# Altium PCB MainMaster20230302.PcbDoc (part 1 of 2) (continued)
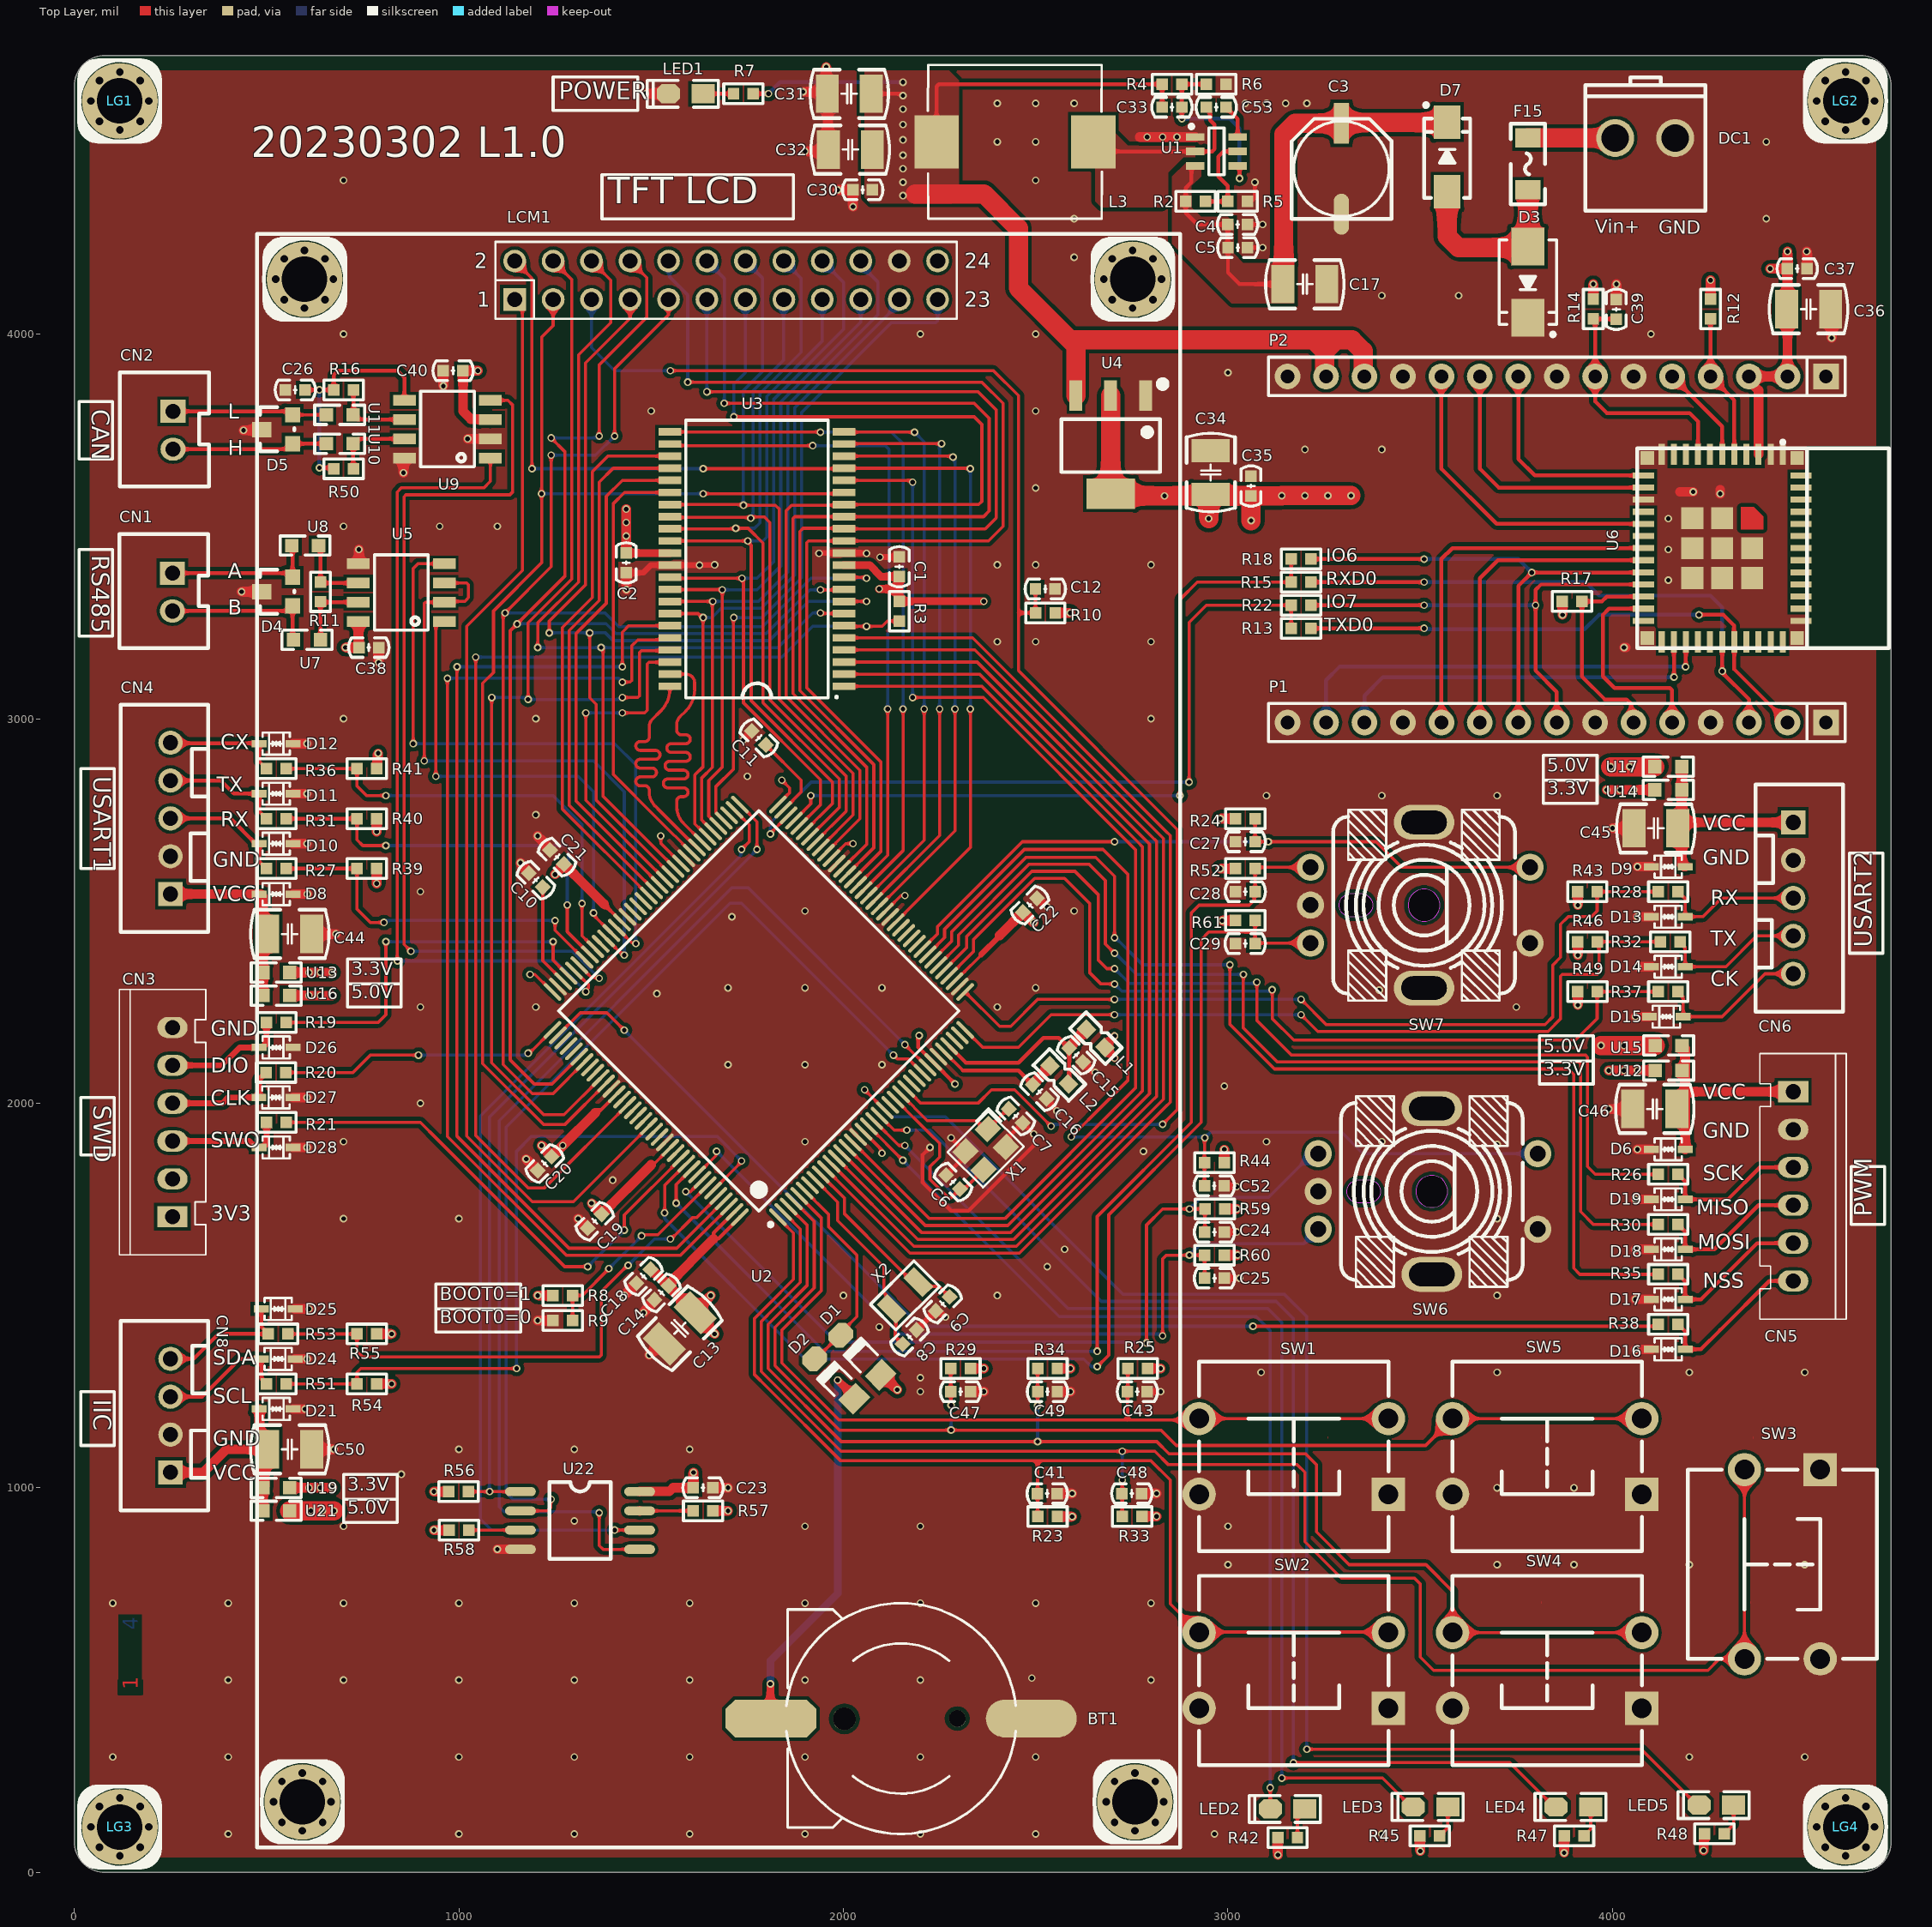
[diagram p0: Top Layer view]
## Part data (continued)
F15: Current Rating (Max)=100A, Hold Current=1A, JLCPCB Part Class="Extended Part", LCSC Part Name="1A 24V", Manufacturer=TLC(竞沃), Operating Temperature=-, Operating Voltage (Max)=24V, Power Dissipation=600mW, Resistance - Initial (Ri) (Min)=60mΩ, Resistance - Post Trip (R1) (Max)=280mΩ, Trip Current=2A, Add into BOM=yes, Convert to PCB=yes, Datasheet=https://atta.szlcsc.com/upload/public/pdf/source/20211202/9DD64AE932171F6A930B1738394E7F41.pdf, Device=TLC-NSMD100/24, Manufacturer Part=TLC-NSMD100/24, Maximum Time to Trip=100ms, Name=TLC-NSMD100/24, Supplier=LCSC, Supplier Footprint=1206, Supplier Part=C2924939, Symbol=TLC-NSMD100/24
L1 L2: Current Rating=2A, DC Resistance=65mΩ, Impedance @ Frequency=120Ω@100MHz, JLCPCB Part Class="Extended Part", LCSC Part Name="120Ω@100MHz ±25%", Manufacturer=FH(风华), Tolerance=±25%, Add into BOM=yes, Circuits=1, Convert to PCB=yes, Datasheet=https://atta.szlcsc.com/upload/public/pdf/source/20151203/1457707610455.pdf, Device=CBM160808U121T, Manufacturer Part=CBM160808U121T, Name=CBM160808U121T, Supplier=LCSC, Supplier Footprint=0603, Supplier Part=C62708, Symbol=CBM160808U121T
L3: library part INDUCTOR
LED1 LED2 LED3 LED4 LED5: Correlated Color Temperature - CCT(K)=-, Illumination Color=普绿/黄绿, JLCPCB Part Class="Extended Part", LCSC Part Name=普绿/黄绿LED，贴片, Manufacturer=EVERLIGHT(亿光), Add into BOM=yes, Convert to PCB=yes, Datasheet=https://atta.szlcsc.com/upload/public/pdf/source/20171110/C142303_15102792667121104246.pdf, Device=17-21SYGC/S530-E3/TR8, Dominant Wavelength / Coordinate rank=573nm, Luminous Flux/Radiant Flux=-, Luminous Intensity (IF=20mA)=32mcd, Manufacturer Part=17-21SYGC/S530-E3/TR8, Mounting Type=表面贴装, Name=17-21SYGC/S530-E3/TR8, Supplier=LCSC, Supplier Footprint=0805, Supplier Part=C142303, Symbol=17-21SYGC/S530-E3/TR8
LG1 LG2 LG3 LG4: library part LAGVAL
P1 P2: Current Rating (Max)=3A, JLCPCB Part Class="Extended Part", LCSC Part Name="2.54mm 1x15P", Manufacturer=kinghelm(金航标), Operating Temperature Range=-40℃~+105℃, Voltage Rating (Max)=-, Add into BOM=yes, Circular Hole / Square Hole=方孔, Convert to PCB=yes, Datasheet=https://atta.szlcsc.com/upload/public/pdf/source/20211220/977AA415CFA981E866620A80068F25CA.pdf, Device=KH-2.54FH-1X15P-H8.5, Holes Direction=顶部, Holes Structure=1x15P, Insulation Height=8.5mm, Manufacturer Part=KH-2.54FH-1X15P-H8.5, Mounting Type=直插, Name=KH-2.54FH-1X15P-H8.5, Number of Holes=15, Number of Rows=1, Pitch=2.54mm, Row Spacing=-, Supplier=LCSC, Supplier Footprint=直插,P=2.54mm, Supplier Part=C2932676, Symbol=KH-2.54FH-1X15P-H8.5
R2 R3 R4 R5 R6 R7 R8 R9 R10 R11 R12 R13 R14 R15 R16 R17 R18 R19 R20 R21 R22 R23 R24 R25 R26 R27 R28 R29 R30 R31 R32 R33 R34 R35 R36 R37 R38 R39 R40 R41 R42 R43 R44 R45 R46 R47 R48 R49 R50 R51 R52 R53 R54 R55 R56 R57 R58 R59 R60 R61: JLCPCB Part Class="Extended Part", LCSC Part Name="511kΩ ±1% 100mW", Manufacturer=UNI-ROYAL(厚声), Operating Temperature Range=-55℃~+155℃, Overload Voltage (Max)=75V, Power(Watts)=100mW, Temperature Coefficient=±100ppm/℃, Tolerance=±1%, Add into BOM=yes, Convert to PCB=yes, Datasheet=https://atta.szlcsc.com/upload/public/pdf/source/20200306/C422600_1E6D84923E4A46A82E41ADD87F860B5C.pdf, Device=0603WAF5113T5E, Manufacturer Part=0603WAF5113T5E, Supplier=LCSC, Supplier Footprint=0603, Supplier Part=C23194, Symbol=0603WAF5113T5E, Type=厚膜电阻
  R2: Name=511kΩ
  R3 R7 R8 R9 R10 R12 R14 R17 R23 R24 R25 R29 R33 R34 R39 R40 R41 R42 R43 R44 R45 R46 R47 R48 R49 R52 R54 R55 R56 R57 R58 R59 R60 R61: Name=10kΩ
  R4: Name=100kΩ
  R5: Name=105kΩ
  R6: Name=13.3kΩ
  R11: Name=120Ω
  R13 R15 R18 R19 R20 R21 R22 R26 R27 R28 R30 R31 R32 R35 R36 R37 R38 R51 R53: Name=22Ω
  R16 R50: Name=60Ω
SW1 SW2 SW3 SW4 SW5: Actuator/Cap Color=黑色, Contact Current=50mA, JLCPCB Part Class="Extended Part", Manufacturer=kinghelm(金航标), Voltage Rating (DC)=12V, Actuator Style=圆形按钮, Add into BOM=yes, Circuit=单刀单掷, Convert to PCB=yes, Datasheet=https://atta.szlcsc.com/upload/public/pdf/source/20210608/C2837531_45E87AB996CE723B09405FF2EA209C4C.pdf, Device=KH-6X6X5H-STM, LCSC Part Name=KH-6X6X5H-STM, Manufacturer Part=KH-6X6X5H-STM, Mechanical Life=80000, Mounting Style=立贴, Name=KH-6X6X5H-STM, Pin Style=鸥翼型, Strike Gundam=否, Supplier=LCSC, Supplier Footprint=SMD, Supplier Part=C2837531, Switch Height=5mm, Switch Length=6mm, Switch Width=6mm, Symbol=KH-6X6X5H-STM
SW6 SW7: JLCPCB Part Class="Extended Part", LCSC Part Name=编码器, Manufacturer=ALPSALPINE(阿尔卑斯阿尔派), Add into BOM=yes, Convert to PCB=yes, Datasheet=https://atta.szlcsc.com/upload/public/pdf/source/20190620/C398934_DDD5BF6D843226194F24C74B1929B82F.pdf, Device=EC11K1524406, Manufacturer Part=EC11K1524406, Name=EC11K1524406, Supplier=LCSC, Supplier Footprint=插件, Supplier Part=C398934, Symbol=EC11K1524406
U1: Input Voltage=4.5V~28V, JLCPCB Part Class="Extended Part", LCSC Part Name="降压型 Vin=4.5V~28V Vout=596mV~28V 3A", Manufacturer=TI(德州仪器), Operating Temperature=-40℃~+125℃@(TJ), Output Current (Max)=3A, Output Voltage=596mV~28V, Switching Frequency=400kHz, Add into BOM=yes, Convert to PCB=yes, Datasheet=https://atta.szlcsc.com/upload/public/pdf/source/20181023/C311983_0948EE70BFAD2011B492BD3F4CEA709D.pdf, Device=TPS54302DDCR, Function=降压型, Manufacturer Part=TPS54302DDCR, Name=TPS54302DDCR, Number of Outputs=1, Output Type=可调, Supplier=LCSC, Supplier Footprint=TSOT-23-6, Supplier Part=C311983, Symbol=TPS54302DDCR_C311983, Synchronous Rectification=是, Topology=降压式
U2: library part STM32F407ZET6, "STM32F407ZET6", JLCPCB Part Class="Extended Part", LCSC Part Name=C19156, Manufacturer=ST(意法半导体), Maximum Frequency=168MHZ, Operating Temperature Range=-40℃~+85℃, Supply Voltage Range=1.8V~3.6V, ADC (Units/Channels/bits)=1@x2ch/12bit, Add into BOM=yes, Convert to PCB=yes, CPU Core="ARM Cortex-M4", DAC (Units/Channels/bits)=1@x24ch/12bit, Datasheet=https://atta.szlcsc.com/upload/public/pdf/source/20140724/1457707162528.pdf, Device=STM32F407ZGT6, EEPROM/Data FLASH Size=-, GPIO Ports Number=114, Internal Oscillator=有, Manufacturer Part=STM32F407ZGT6, Name=STM32F407ZGT6, Peripherals / Functions / Protocol Stacks=欠压检测/复位；DMA；LCD驱动；看门狗；POR；PWM, Program FLASH Size=1MB, RAM Size=192KB, Supplier=LCSC, Supplier Footprint=LQFP-144_20x20x05P, Symbol=STM32F407ZGT6
U3: library part IS64WV51216BLL-10MA3
U4: Dropout Voltage=1.3V@(800mA), JLCPCB Part Class="Extended Part", LCSC Part Name="正 Vin=15V Vout=3.3V 800mA 75dB@(120Hz)", Manufacturer=TI(德州仪器), Maximum Input Voltage=15V, Output Current=800mA, Output Voltage=3.3V, Power Supply Rejection Ratio (PSRR)=75dB@(120Hz), Add into BOM=yes, Convert to PCB=yes, Datasheet=https://atta.szlcsc.com/upload/public/pdf/source/20180416/C91728_403F033E51667BBB8CF85C15AFC00B0F.pdf, Device=TLV1117-33CDCYR, Manufacturer Part=TLV1117-33CDCYR, Name=TLV1117-33CDCYR, Number of Outputs=1, Output Polarity=正, Output Type=固定, Supplier=LCSC, Supplier Footprint=SOT-223, Supplier Part=C91728, Symbol=TLV1117-33CDCYR
U5: JLCPCB Part Class="Basic Part", LCSC Part Name=10Mbps, Manufacturer=MaxLinear, Supply Voltage=3.3V, Add into BOM=yes, Convert to PCB=yes, Data Rate=10Mbps, Datasheet=https://atta.szlcsc.com/upload/public/pdf/source/20170601/1496285796963.pdf, Device=SP3485EN-L/TR, Driver/receiver=1/1, Manufacturer Part=SP3485EN-L/TR, Name=SP3485EN-L/TR, Supplier=LCSC, Supplier Footprint=SOIC-8_150mil, Supplier Part=C8963, Symbol=SP3485EN-L/TR, Types=收发器
U6: library part ESP32-C3-MINI-1U-H4, JLCPCB Part Class="Extended Part", Manufacturer=ESPRESSIF(乐鑫), Add into BOM=yes, Convert to PCB=yes, Datasheet=https://atta.szlcsc.com/upload/public/pdf/source/20220602/2F3F799AD033675D9930B69B0B580EA8.pdf, Device=ESP32-C3-MINI-1-H4, LCSC Part Name=ESP32-C3-MINI-1-H4, Manufacturer Part=ESP32-C3-MINI-1-H4, Name=ESP32-C3-MINI-1-H4, Supplier=LCSC, Supplier Footprint=模块, Supplier Part=C2934569, Symbol=ESP32-C3-MINI-1-H4
U7 U8 U10 U11 U12 U13 U14 U15 U16 U17 U19 U21: Current Rating (Max)=40A, Hold Current=350mA, JLCPCB Part Class="Extended Part", LCSC Part Name="6V 350mA", Manufacturer=Littelfuse(美国力特), Operating Temperature=-40℃~+85℃, Operating Voltage (Max)=6V, Power Dissipation=-, Resistance - Initial (Ri) (Min)=200mΩ, Resistance - Post Trip (R1) (Max)=1Ω, Trip Current=750mA, Add into BOM=yes, Convert to PCB=yes, Datasheet=https://atta.szlcsc.com/upload/public/pdf/source/20180709/C207013_44786F09EAFC890D8A7C29FA56404C7F.pdf, Device=0603L035YR, Manufacturer Part=0603L035YR, Maximum Time to Trip=100ms, Name=0603L035YR, Supplier=LCSC, Supplier Footprint=0603, Supplier Part=C207013, Symbol=0603L035YR
U9: JLCPCB Part Class="Basic Part", Manufacturer=NXP(恩智浦), Supply Voltage="4.75V ~ 5.25V", Add into BOM=yes, Convert to PCB=yes, Datasheet=https://atta.szlcsc.com/upload/public/pdf/source/20140411/1457707042917.pdf, Device=TJA1050T/CM,118, LCSC Part Name=TJA1050T/CM,118, Manufacturer Part=TJA1050T/CM,118, Name=TJA1050T/CM,118, Protocol=CAN总线, Supplier=LCSC, Supplier Footprint=SOIC-8_150mil, Supplier Part=C6952, Symbol=TJA1050T/CM,118, Type=收发器
U22: JLCPCB Part Class="Basic Part", Manufacturer=WINBOND(华邦), Voltage - Supply="2.7V ~ 3.6V", Add into BOM=yes, Convert to PCB=yes, Datasheet=https://atta.szlcsc.com/upload/public/pdf/source/20170316/1489627409956.pdf, Device=W25Q128JVSIQ, LCSC Part Name=W25Q128JVSIQ, Manufacturer Part=W25Q128JVSIQ, Memory Format=FLASH, Memory Interface="SPI - Dual/Quad I/O", Memory Size="128Mb (16M x 8)", Name=W25Q128JVSIQ, Supplier=LCSC, Supplier Footprint=SOIC-8_208mil, Supplier Part=C97521, Symbol=W25Q128JVSIQTR
X1: Frequency Stability=±30ppm, Frequency Tolerance=±10ppm, JLCPCB Part Class="Extended Part", LCSC Part Name="8MHz ±10ppm 20pF", Load Capacitance=20pF, Manufacturer=YXC(扬兴晶振), Operating Temperature=-40℃~+85℃, Add into BOM=yes, Convert to PCB=yes, Crystal Type=贴片无源晶振, Datasheet=https://atta.szlcsc.com/upload/public/pdf/source/20210106/C2682774_0CD4FDA5D9DA3FBEEC23BD607A48E4B0.pdf, Device=X32258MSB4SI, Manufacturer Part=X32258MSB4SI, Name=8MHz, Supplier=LCSC, Supplier Footprint=SMD3225-4P, Supplier Part=C2682774, Symbol=X32258MSB4SI
X2: Frequency Tolerance=±20ppm, JLCPCB Part Class="Extended Part", LCSC Part Name="YST310S 32.768kHz ±20ppm 12.5pF", Load Capacitance=12.5pF, Manufacturer=YXC(扬兴晶振), Operating Temperature=-40℃~+85℃, Add into BOM=yes, Convert to PCB=yes, Crystal Type=贴片无源晶振, Datasheet=https://atta.szlcsc.com/upload/public/pdf/source/20210329/C620155_E5A74FC0D27C5E9015A8D75DE9484FEA.pdf, Device=X321532768KGD2SI, Manufacturer Part=X321532768KGD2SI, Name=32.768kHz, Supplier=LCSC, Supplier Footprint=SMD3215-2P, Supplier Part=C620155, Symbol=X321532768KGD2SI

## Via types
v1: diameter 19.68, hole 11.81, Top Layer to Bottom Layer, tented both sides, 476 vias

## Nets (pads, with @x,y where several pads share a name; then routed paths per layer and width w, separated by ;. In a path a pad name is that pad's centre, name@x,y a point inside that pad or via, vN(x,y) a via of type N, cw(c..) or ccw(c..) an arc to the next point about the centre after c; other vN are vias at no path point)
3V3: C1.2 C2.2 C13.2 C14.2 C18.2 C19.2 C20.2 C21.2 C22.2 C23.2 C34.2 C35.2 C36.1 C37.1 C38.2 CN3.1 D1.2 L1.1 LCM1.24 P2.2 P2.3 R3.2 R8.2 R10.1 R12.2 R14.2 R17.1 R23.1 R24.2 R25.1 R29.1 R33.1 R34.1 R39.1 R40.1 R41.1 R42.1 R43.1 R44.2 R45.1 R46.1 R47.1 R48.1 R49.1 R52.2 R54.1 R55.1 R56.1 R57.1 R58.2 R59.2 R60.2 R61.2 U2.17 U2.30 U2.39 U2.52 U2.62 U2.72 U2.84 U2.95 U2.108 U2.121 U2.131 U2.143 U2.144 U3.11 U3.33 U4.2 U5.8 U6.3 U12.1 U13.1 U14.1 U19.1 U22.8 | length 7598.8
  Top Layer w8: v1(1185,2335) 1197.82,2335 U2.108@1243.41,2289.41 ; C20.2@1241.19,1861.19 1248.08,1861.19 1370.94,1984.06 ; C21.2@1276.19,2623.81 1276.19,2618.8 1276.19,2618.53 1377.36,2517.36 U2.95@1424.36,2470.37 ; 1355,1975 1364.06,1984.06 1370.94,1984.06 ; C19.2@1371.19,1711.19 1376.19,1711.19 1440,1775 1440.27,1775 U2.131@1549.63,1884.36 ; U2.121@1410.44,2023.55 1370.94,1984.06 ; v1(1525,2695) 1525,2675.95 U2.84@1577.47,2623.48 ; U2.72@1829.41,2776.59 1860,2807.18 1860,2820 v1(1840,2840) ; U2.62@1968.61,2637.4 2006.21,2675 v1(2025,2675) ; U2.17@2052.12,1926.12 2100,1878.24 v1(2100,1870) ; U2.52@2107.8,2498.21 2149.6,2540 v1(2160,2540) ; U2.39@2288.76,2317.25 2307.2,2335.7 2308.71,2335.7 2358.19,2385.18 ; 2405.2,2433.7 C22.2@2467.66,2496.16
  Top Layer w10: C14.2@1545,1525.66 C14.2@1545,1525 C13.2@1615,1455 ; 1663.05,1648.05 1666.95,1648.05 ; U2.143@1716.67,1717.33 1662.06,1662.72 1662.06,1652.94 1666.95,1648.05 ; U2.144@1730.59,1703.41 1675.23,1648.05 1666.95,1648.05 ; v1(2196.9,2176.14) 2194.31,2173.54 2194.31,2145.84 U2.30@2233.08,2107.07 2290,2050.15 v1(2290,2050)
  Top Layer w15: 2358.19,2386.69 2405.2,2433.7
  Top Layer w20: C2.2@1435.08,3430.67 U3.33@1548.54,3430.67 ; U3.11@2001.38,3399.25 2067.95,3399.25 2097.79,3369.41 C1.2@2145,3369.41 2145,3337.21 ; v1(2092.79,3337.21) 2145,3337.21 ; v1(2365,3305) R3.2@2145,3305 2145,3337.21 ; v1(2704.95,2174.94) 2679.8,2149.79 2679.8,2142.64 v1(2705.16,2117.28)
  Top Layer w25: U19.1@560,1000 v1(609.84,1000) v1(640,1000) v1(670,1000) ; U13.1@560,2340 v1(610,2340) v1(640,2340) v1(670,2340) ; v1(705,3185) C38.2@740,3185 739.07,3185.93 739.07,3251.85 U5.8@738.14,3252.78 ; R54.1@786.18,1270 v1(825,1270) ; R55.1@786.18,1400 v1(825,1400) ; v1(786.18,2571.18) R39.1@786.18,2610 ; v1(786.18,2706.18) R40.1@786.18,2740 ; R41.1@786.18,2870 788.68,2872.5 788.68,2908.68 v1(790,2910) ; v1(935,890) R58.2@974.41,890 ; v1(935,990) R56.1@973.82,990 ; v1(1205,1500) R8.2@1244.41,1500 ; v1(1215,1890) 1241.19,1863.81 C20.2@1241.19,1861.19 v1(1270,1890) 1355,1975 ; v1(1250,2595) 1250,2595.28 1273.09,2618.37 C21.2@1273.09,2621.9 1276.19,2618.8 1377.36,2517.63 1377.36,2517.36 ; v1(1345,1740) 1371.19,1713.81 C19.2@1371.19,1711.19 1499.86,1839.86 ; v1(1435,3545) v1(1435,3510) v1(1435,3475) C2.2@1435,3430.59 C2.2@1435.08,3430.67 ; U22.8@1470,990 1470.5,990.5 1547.41,990.5 1556.91,1000 C23.2@1609.41,1000 1609.41,1039.41 v1(1610,1040) ; C18.2@1498.1,1568.09 1501.63,1568.09 1507.6,1562.12 1507.88,1562.12 C14.2@1542.5,1527.5 ; v1(1655,1500) 1615,1460 C13.2@1615,1455 ; R57.1@1660.59,940 v1(1700,940) ; 1662.06,1647.06 C14.2@1542.5,1527.5 ; v1(1665,1400) 1615,1450 C13.2@1615,1455 ; D1.2@2096.64,1293.36 2101.64,1293.36 v1(2140,1255) ; R29.1@2330,1310 v1(2365,1310) ; 2406.44,2436.45 C22.2@2466.9,2496.91 2467.66,2496.16 2493.81,2470 v1(2495,2470) ; R10.1@2553.09,3277.5 R10.1@2550.59,3275 v1(2590,3275) ; R23.1@2556.18,925 v1(2595,925) ; R34.1@2556.18,1310 v1(2590,1310) ; R33.1@2776.18,925 2776.87,925.69 v1(2814.31,925.69) ; R25.1@2790.59,1310 v1(2825,1310) ; v1(2980,2610) R52.2@3019.41,2610 ; v1(2980,2740) R24.2@3019.41,2740 ; v1(2985,2475) R61.2@3019.41,2475 ; v1(2990.29,1879.71) 2990.59,1879.41 R44.2@2990.59,1845 ; R60.2@2990.59,1605 v1(3025,1605) ; R59.2@2991.18,1725 v1(3023.09,1725) ; R42.1@3129.41,90 3129.41,45.59 v1(3130,45) ; R45.1@3499.41,95 3499.41,55.59 v1(3500,55) ; R17.1@3869.41,3305 3870,3304.4 v1(3870,3270) ; v1(3874.41,50.59) R47.1@3874.41,95 ; R49.1@3906.91,2287.5 R49.1@3909.41,2290 3910,2289.4 v1(3910,2255) ; R43.1@3908.82,2550 3910,2548.82 v1(3910,2515) ; R46.1@3909.41,2420 3910,2419.4 v1(3910,2385) ; R14.2@3950,4090.59 v1(3950,4130) ; v1(3985,2815) v1(4020,2815) v1(4055,2815) U14.1@4110,2815 ; v1(3990,2085) v1(4030,2085) v1(4065,2085) U12.1@4111,2085 ; v1(4236.91,56.91) 4236.91,97.5 R48.1@4239.41,100 ; R12.2@4255,4090.59 v1(4255,4140) ; U6.3@4379.77,3687.59 4379.77,3853.88 4355,3878.65 P2.3@4355,3890 P2.2@4455,3890 C37.1@4455,4170 ; v1(4410,4170) C37.1@4455,4170 ; v1(4455,4215) C37.1@4455,4170 ; C14.2@1542.5,1527.5 C14.2@1545,1525 C13.2@1615,1455
  Top Layer w50: U4.2@2695,3840 U4.2@2695,3585 2700.59,3579.41 v1(2835,3579.41) C34.2@2951.5,3579.41 ; v1(2950,3520) 2950,3577.91 C34.2@2951.5,3579.41 ; C34.2@2955,3582.91 C34.2@2951.5,3579.41 ; v1(3060,3515) C35.2@3060,3579.41 ; v1(3320,3580) v1(3260,3580) v1(3200,3580) v1(3140,3580) 3139.41,3579.41 C35.2@3060,3579.41 ; C34.2@2951.5,3579.41 C35.2@3060,3579.41
5V: C30.2 C31.2 C32.2 C33.2 C40.2 L3.2 P2.13 P2.14 R4.2 R7.2 U4.3 U9.3 U15.1 U16.1 U17.1 U21.1 | length 17702.4
  Top Layer w10: R7.2@1765.59,4625 v1(1805,4625) ; C31.2@2072.09,4625 v1@2150,4625 ; v1@2152.5,4625 v1@2157.5,4620 ; L3.2@2242.1,4500 2242.1,4644.15 2247.96,4650.01 R4.2@2828.82,4650.01 C33.2@2828.83,4590.01
  Top Layer w25: U16.1@560,2280 v1(610,2280) v1(640,2280) v1(670,2280) ; v1(1049.41,3905) C40.2@1010.59,3905 1010.59,3799.41 1030.94,3779.06 1080.58,3779.06 U9.3@1081.86,3777.78
  Top Layer w50: U21.1@560,940 v1(615,940) v1(645,940) v1(675,940) ; 2186.42,4364.6 2365.4,4364.6 2455,4275 2455,4120 2590,3985 ; U4.3@2604.45,3840 2604.45,3970.55 2590,3985 ; P2.14@3255,3890 3251.76,3893.24 3251.76,3955.71 ; P2.13@3355,3890 3351.76,3893.24 3351.76,3955.71 3322.47,3985 3281.05,3985 ; v1(3970,2150) v1(4030,2150) U15.1@4111,2150 ; v1(3995,2875) v1(4045,2875) U17.1@4110,2875 ; 2590,3985 3222.47,3985 ; 3222.47,3985 3281.05,3985 ; 3222.47,3985 3251.76,3955.71 ; 3251.76,3955.71 3281.05,3985
  VDD w25: 1049.41,4534.41 1060,4545
  VDD w50: v1@665,2280 v1(640,2280) v1(610,2280) 70,2280 ; v1(675,940) v1(645,940) v1(615,940) 99.29,940 70,969.29 70,2280 ; v1(1049.41,3905) 1049.41,4534.41 ; v1(3970,2150) v1(4030,2150) 4600,2150 4650,2200 4650,2875 ; v1(3995,2875) v1(4045,2875) 4650,2875 ; 70,2280 70,4225 390,4545 1060,4545 v1(2155,4545) v1(2155,4585) v1(2155,4620) v1(2155,4655) 2181.77,4681.77 4323.23,4681.77 4660,4345 4660,3809.29 4630.71,3780 4475,3780 4445,3750 4445,3159.29 4484.29,3120 4590,3120 4650,3060 4650,2875
  Bottom Layer w10: v1(1805,4625) 1835,4655 v1(2155,4655)
  other v1: 2155,4360 2155,4395 2155,4430 2155,4465 2155,4505
A3V3: C15.2 L1.2 L2.1 U2.33 | length 531.2
  Top Layer w10: U2.33@2274.84,2148.83 2318.66,2105 2455,2105 2520,2170 2560,2170 C15.2@2586.91,2143.1 2586.91,2072.11 2583.74,2068.94 2583.74,2051.26 L2.1@2584.8,2050.2
  Top Layer w25: C15.2@2586.91,2143.1 2586.91,2146.89 L1.2@2632.51,2192.49
AGND: BT1.2 C1.1 C2.1 C3.2 C4.1 C5.1 C6.2 C7.2 C8.1 C9.1 C10.1 C11.1 C12.1 C13.1 C14.1 C15.1 C16.1 C17.1 C18.1 C19.1 C20.1 C21.1 C22.1 C23.1 C24.2 C25.2 C26.2 C27.2 C28.2 C29.2 C30.1 C31.1 C32.1 C34.1 C35.1 C36.2 C37.2 C38.1 C39.1 C40.1 C41.2 C43.2 C44.1 C45.1 C46.1 C47.2 C48.2 C49.2 C50.1 C52.2 CN3.6 CN4.2 CN5.2 CN6.2 CN8.2 D3.2 D4.3 D5.3 D6.2 D8.2 D9.2 D10.1 D11.1 D12.1 D13.1 D14.1 D15.1 D16.1 D17.1 D18.1 D19.1 D21.2 D24.1 D25.1 D26.1 D27.1 D28.1 DC1.2 LCM1.22 LED1.1 P1.1 P1.4 P1.7 P1.12 P1.15 P2.1 P2.6 P2.8 P2.12 P2.15 R5.1 R6.1 R9.2 SW1.1 SW1.2 SW2.1 SW2.2 SW3.1 SW3.2 SW4.1 SW4.2 SW5.1 SW5.2 SW6.C SW6.E SW6.MH1 SW6.MH2 SW7.C SW7.E SW7.MH1 SW7.MH2 U1.1 U2.16 U2.31 U2.38 U2.51 U2.61 U2.83 U2.94 U2.107 U2.120 U2.130 U3.12 U3.34 U4.1 U5.5 U6.1 U6.2 U6.11 U6.14 U6.36 U6.49 U6.50 U6.51 U6.52 U6.53 U9.2 U9.8 U22.4 X1.2 X1.4 | length 4423.6
  Top Layer w10: v1(2225,1885) 2206,1866 2206,1794 2280,1720 2325,1720 2495,1890 v1(2495,1920) C7.2@2466.19,1948.81 2422.89,1905.51 X1.4@2422.89,1885.57 ; C6.2@2266.91,1813.1 2317.11,1863.29 X1.2@2317.11,1874.43 2315.57,1874.43 v1(2280,1910) ; C4.1@3050.59,4285 v1(3090,4285) ; R5.1@3050.59,4345 3055,4340.6 3070,4355.6 v1(3070,4395) ; C5.1@3051.18,4225 v1(3090,4225)
  Top Layer w15: C2.1@1435,3379.41 1435.6,3379.41 1479.41,3379.41 1499.25,3399.25 U3.34@1548.62,3399.25 v1(1625.75,3399.25) 1626.5,3400 1626.87,3399.63 1664.63,3399.63 v1(1665,3400) ; v1(1740,2945) 1740,2945.6 1761.3,2966.9 1761.9,2966.9 C11.1@1761.9,2968.1 ; v1(1936.5,3430) 1937.24,3430.75 U3.12@2001.38,3430.75 2059.25,3430.75 v1(2060,3430) ; v1(2095,3420) 2095.59,3420.59 C1.1@2145,3420.59 ; C8.1@2190,1410 C9.1@2240,1460 2247.57,1460 2263.73,1443.84 v1(2265,1443.84) ; C22.1@2503.1,2533.1 C22.1@2510.67,2533.1 ; C22.1@2514.39,2526.21 v1(2530,2510.61) ; C16.1@2528.1,2011.9 2528.1,2006.9 2529.37,2006.9 2555,1981.27 v1(2555,1980) ; C15.1@2623.1,2106.9 2650,2080 v1(2655,2080) ; C43.2@2790,1250 v1(2825,1250) ; C52.2@2990,1785 2991.1,1783.9 3021.76,1783.9 v1(3022.66,1783) ; C25.2@2990.59,1545 v1(3030,1545) ; C24.2@2990.59,1665 v1(3022.66,1665)
  Top Layer w25: v1(435,3330) 477.5,3330 482.5,3325 D4.3@487.5,3330 ; v1(440,3750) 485.5,3750 D5.3@487.5,3752 ; D28.1@568,1885 D28.1@569,1885 v1(605,1885) ; D21.2@569,1205 v1(600,1205) ; D27.1@569,2015 v1(605,2015) ; D8.2@569,2543.66 v1(605.69,2543.66) ; D10.1@569,2675 v1(605,2675) ; D11.1@569,2805 v1(605,2805) ; D12.1@569,2935 v1(605,2935) ; D24.1@574,1335 v1(605,1335) ; D25.1@574,1465 v1(610,1465) ; C50.1@617.09,1100 v1(675,1100) ; C44.1@617.09,2440 v1(680,2440) ; U5.5@738.14,3402.78 738.72,3402.78 740,3404.06 v1(740,3440) ; v1(791.18,3146.18) C38.1@791.18,3185 ; v1(855.64,3639.36) 855.64,3676.5 856.92,3677.78 U9.8@858.14,3677.78 ; v1(959.41,3865) C40.1@959.41,3905 ; v1(1022.78,3727.78) U9.2@1081.86,3727.78 ; v1(1100,840) U22.4@1160,840 ; v1(1160,2625) 1160,2623.53 1181.9,2601.63 C10.1@1181.9,2598.1 ; v1(1175,1855) C20.1@1205,1825 ; v1(1205,1435) R9.2@1244.41,1435 ; v1(1205,2695) 1205,2693.53 1236.9,2661.63 C21.1@1236.9,2658.1 ; v1(1310,1700) C19.1@1335,1675 ; v1(1430,1500) C18.1@1461.9,1531.9 ; C2.1@1435,3379.41 1435.6,3380 1435.6,3379.41 v1(1435.6,3335.6) ; v1(1480,1455) 1480,1456.46 1508.81,1485.27 C14.1@1508.81,1488.81 ; v1(1485,4625) LED1.1@1545,4625 ; v1(1495,1345) 1524.27,1374.27 C13.1@1534.27,1374.27 ; C23.1@1660.59,1000 v1(1700,1000) ; v1(1895,4630) 1952.91,4630 C31.1@1955,4627.91 ; v1(1900,4475) 1955.83,4475 C32.1@1960.83,4480 1959.37,4481.46 1959.37,4623.54 C31.1@1957.91,4625 C31.1@1955,4627.91 ; v1(1955,4695) C31.1@1955,4627.91 ; v1(1985,4375) C30.1@2024.41,4375 2024.41,4331.78 v1(2025,4331.19) ; C47.2@2330,1250 v1(2365,1250) ; C41.2@2555.59,985 v1(2595,985) ; C49.2@2556.18,1250 v1(2590,1250) ; 2770,4512.4 v1(2790,4512.4) v1(2830,4512.4) v1(2867.4,4512.4) U1.1@2914.88,4512.4 ; C48.2@2775.59,985 v1(2814.41,985) ; v1(3990,1985) C46.1@4052.91,1985 ; v1(4000,2715) C45.1@4055.83,2715 ; C39.1@4010,4090 v1(4010,4130) ; v1(4030,3185) v1@4035,3185 ; v1(4060,1360) D16.1@4101,1360 ; v1(4060,1490) D17.1@4101,1490 ; v1(4060,1620) D18.1@4101,1620 ; v1(4060,1750) D19.1@4101,1750 ; v1(4060,2225) D15.1@4096,2225 ; v1(4065,1880) D6.2@4101,1880 ; v1(4065,2355) D14.1@4101,2355 ; v1(4065,2485) D13.1@4101,2485 ; v1(4065,2615) D9.2@4101,2615 ; 4175,3590 v1(4210,3590) ; v1(4280,3585) 4280,3595 ; v1(4505,4215) 4506.18,4213.82 C37.2@4506.18,4170 ; C36.2@4567.09,4065 4570,4062.09 v1(4570,3990)
  other v1: 400,100 1000,100 1300,100 1600,100 1900,100 2200,100 2500,100 2965,100 3400,100 100,300 400,300 1000,300 1300,300 1600,300 1900,300 2200,300 2500,300 4200,300 4500,300 400,500 700,500 1000,500 1300,500 1600,500 1900,500 2200,500 2800,500 2490,505 100,700 400,700 700,700 1000,700 1300,700 1600,700 1900,700 2200,700 2500,700 2800,700 3000,800 3700,800 3900,800 4200,800 4500,800 700,900 1900,900 2200,900 3000,900 1300,913.84 3700,1000 3900,1000 850,1035 1000,1100 1300,1100 1600,1100 2200,1250 2200,1286.16 3086.16,1300 3700,1300 4200,1300 4500,1300 2093.22,1418.06 2000,1500 2400,1500 3700,1500 2530,1575 2575,1620 700,1700 1000,1700 3700,1700 1400,1800 2780,1875 3700,1892.83 700,1900 1900,1900 3100,1900 3400,1900 900,2000 2990.59,2044.41 1700,2100 1900,2100 2100,2100 900,2250 1200,2250 2400,2250 3750,2250 1515,2285 3393.25,2293.84 1700,2300 1900,2300 2100,2300 2500,2300 1710,2485 1900,2500 2600,2500 900,2550 1200,2750 3100,2800 3400,2800 3700,2800 1750,2850 700,3000 1200,3000 2800,3000 2400,3200 2500,3200 2800,3200 4145,3360 2400,3400 2500,3400 2800,3400 4145,3440 700,3500 950,3500 1100,3500 4145,3520 2500,3600 3200,3700 3400,3700 1500,3800 2500,3800 3000,3900 700,4000 2200,4000 2500,4000 4100,4000 3400,4100 3600,4100 2600,4200 2600,4300 4400,4300 700,4400 2500,4400 2400,4500 2500,4500 4400,4500 2400,4600 2500,4600 2600,4600 3045,4600 3100,4600 3150,4600 3205,4600
BOOT0: R8.1 R9.1 U2.138 | length 535.7
  Top Layer w8: R9.1@1295.59,1435 R8.1@1295.59,1500 1320.59,1500 1390,1569.41 v1(1390,1570) ; v1(1475,1655) 1477.24,1657.24 1485.03,1657.24 1485.53,1657.73 1517.88,1657.73 U2.138@1647.07,1786.92
  Bottom Layer w8: v1(1390,1570) v1(1475,1655)
EN: C39.2 P2.7 R14.1 U6.8 | length 650.8
  Top Layer w10: C39.2@4010,4038.82 4009.41,4039.41 R14.1@3950,4039.41 3955,4034.41 P2.7@3955,3890 3955,3825 3985,3795 4200,3795 4222.29,3772.71 U6.8@4222.29,3687.59
FSMC_A0: U2.10 U3.5 | length 2903.5
  Top Layer w8: U2.10@1954.69,1828.68 2173.37,1610 2457.28,1610 2837,1989.72 2850,2002.72 2850,2696 2837,2709 2335.72,3210.28 U3.5@2001.38,3210.28